# KiCad board KlusterLab r2.0.kicad_pcb (continued)
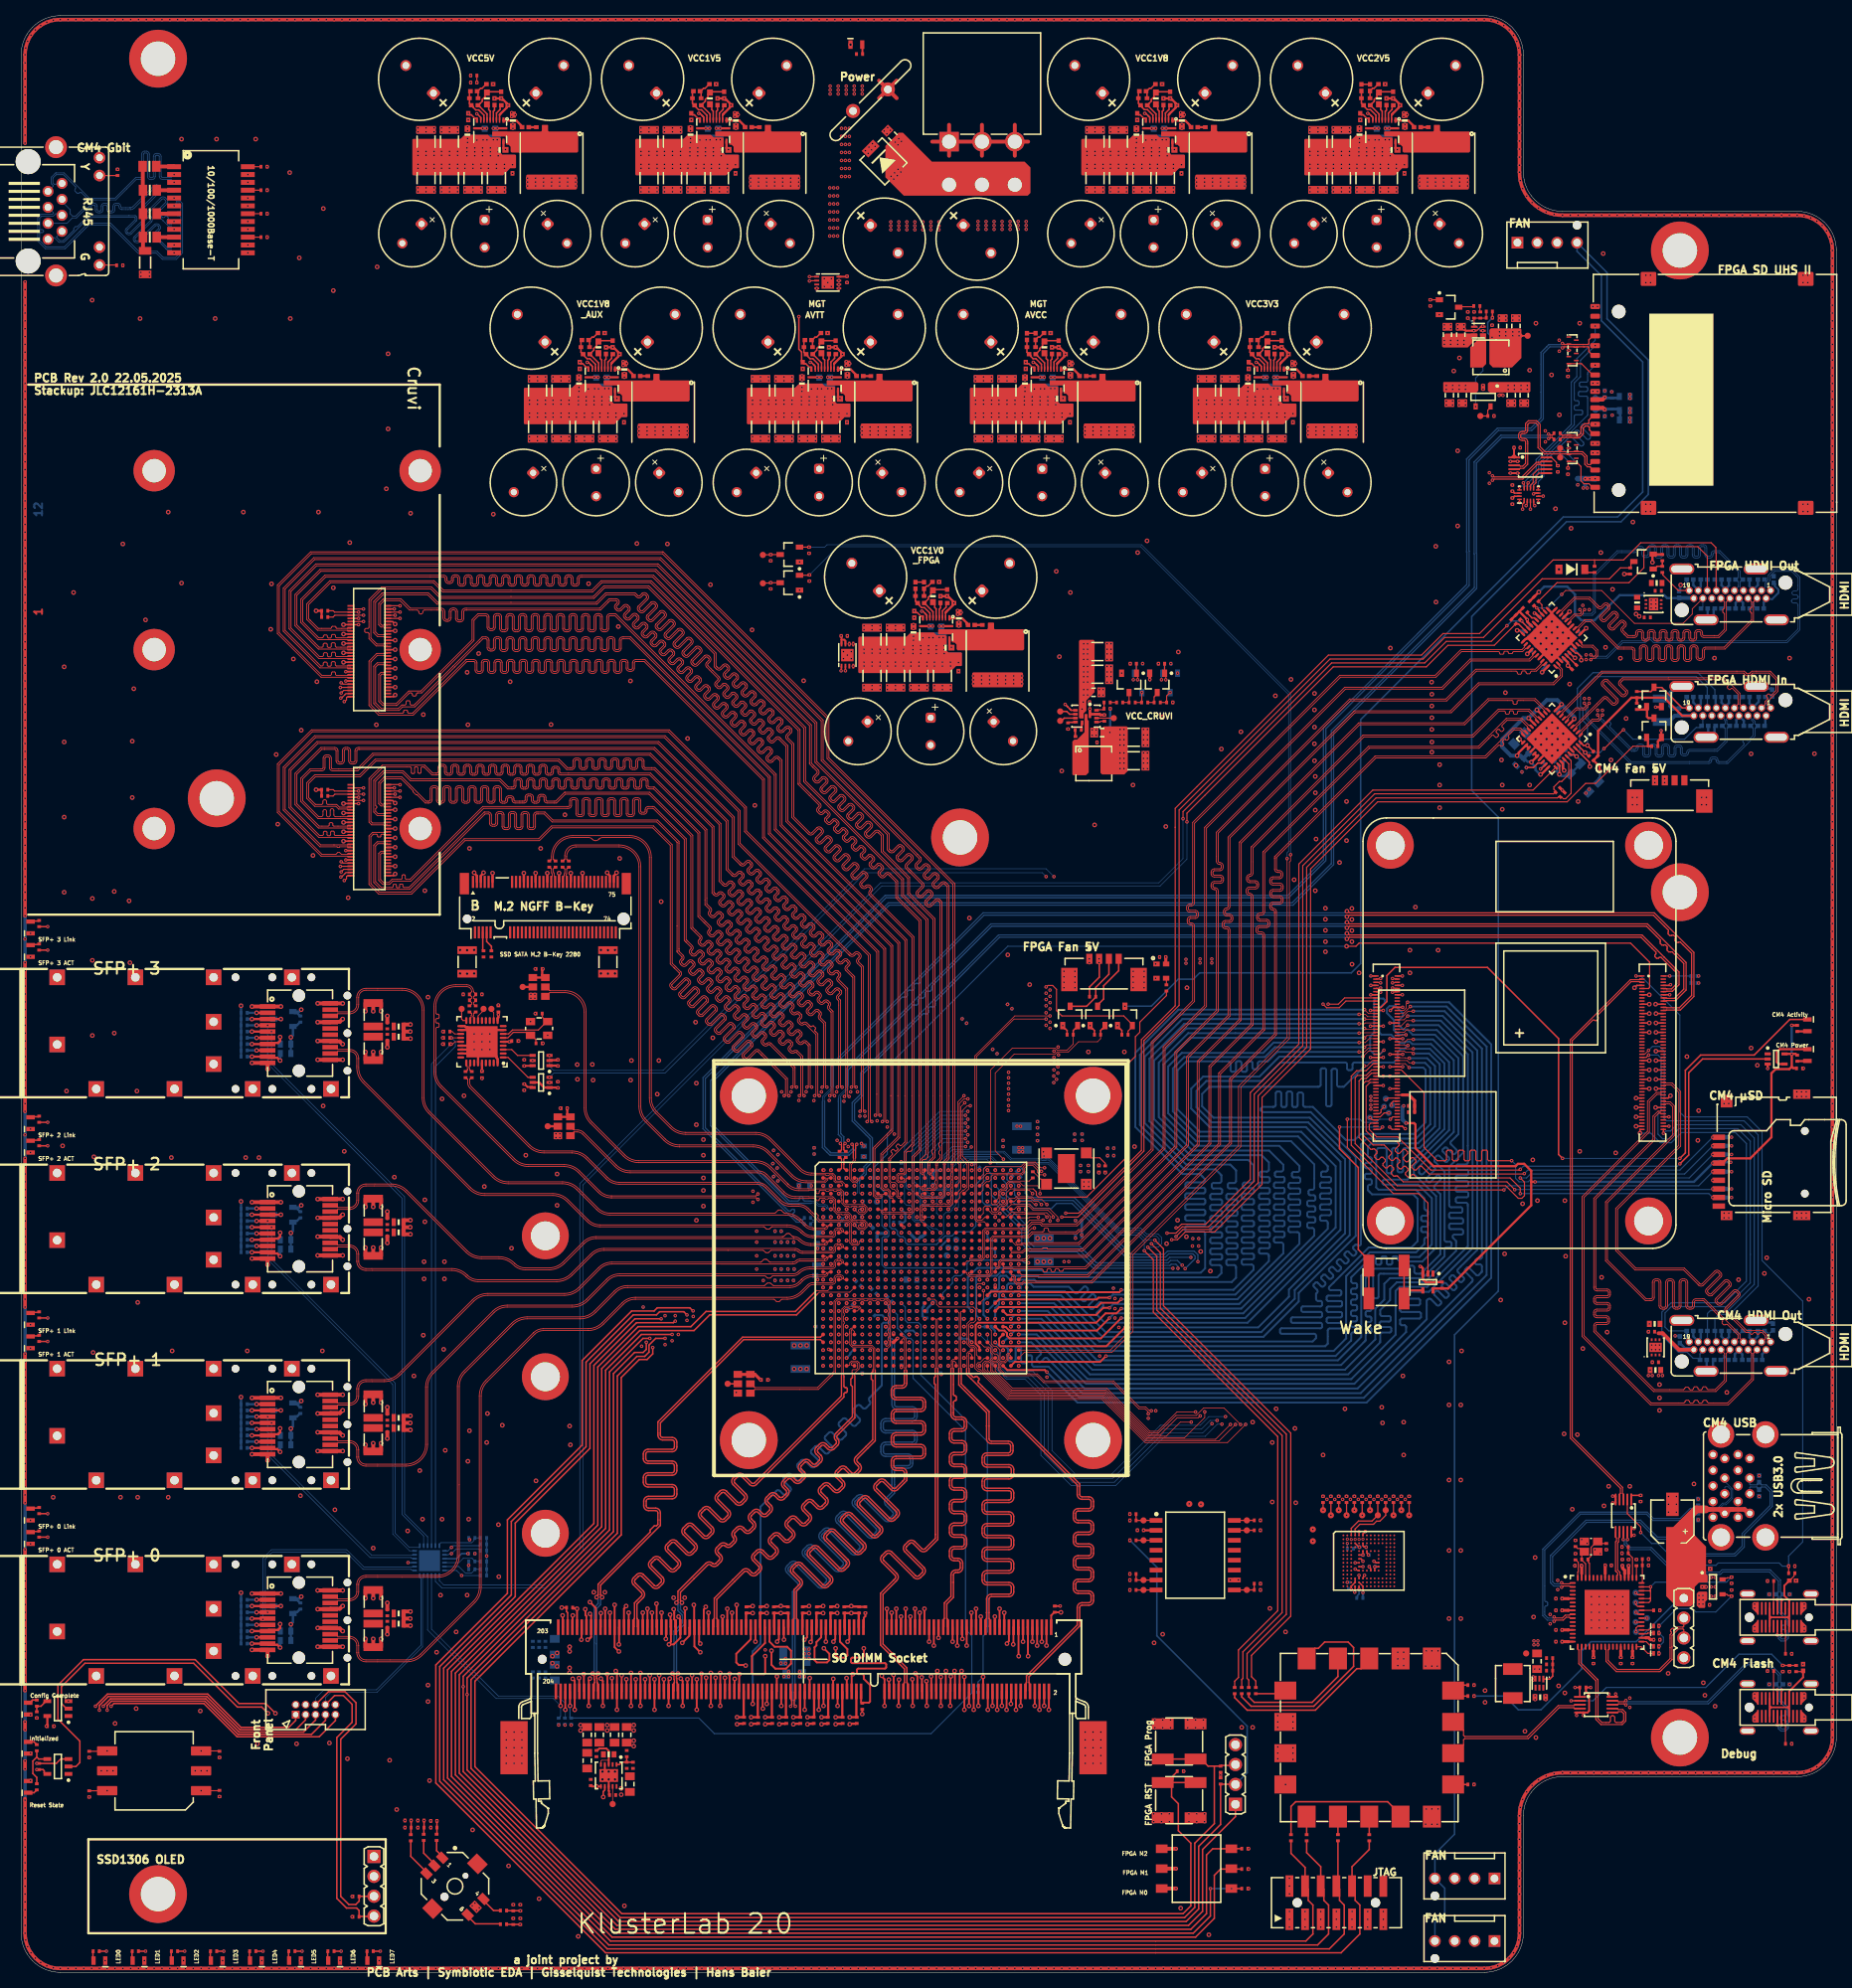
[diagram p0: board, top side]
## Routing (per net, layer and track width the routed paths; a pad name or vN(x,y) marks a point on that pad's centre or on a via; arc(x,y) is an arc through that point) (continued)
SATA_TX_C_P: length 71.9
  L1 Top w0.1: 101.48,100.89 101.49,100.9 102.75,100.9 103.1,101.25 103.1,101.44 103.16,101.5 U1.B2
  L1 Top w0.114: C83.1 69.9,142.1 arc(69.86,142.12) 69.83,142.13 arc(69.79,142.14) 69.76,142.16 arc(69.73,142.2) 69.72,142.25 69.72,142.57 arc(70.08,143.44) 70.95,143.8 76.42,143.8 arc(78.22,143.06) 78.96,141.26 78.96,110.65 arc(79.17,109.59) 79.77,108.69 82.17,106.29 arc(83.08,105.68) 84.14,105.47 93.58,105.47 arc(94.55,105.28) 95.37,104.73 98.42,101.68 arc(99.3,101.1) 100.33,100.89 101.5,100.89
SATA_TX_N: length 2.1
  L1 Top w0.114: J6.47 69.25,139.86 arc(69.27,139.94) 69.31,140.01 arc(69.36,140.09) 69.38,140.17 69.38,140.23 arc(69.39,140.3) 69.43,140.35 arc(69.47,140.41) 69.48,140.47 69.48,140.95 arc(69.47,141) 69.44,141.04 arc(69.41,141.06) 69.37,141.07 arc(69.34,141.08) 69.31,141.1 C84.2
SATA_TX_P: length 2.1
  L1 Top w0.114: C83.2 69.9,141.1 arc(69.86,141.08) 69.83,141.07 arc(69.79,141.06) 69.76,141.04 arc(69.73,141) 69.72,140.95 69.72,140.37 arc(69.71,140.31) 69.67,140.25 69.66,140.25 arc(69.63,140.2) 69.62,140.14 arc(69.63,140.08) 69.66,140.04 arc(69.73,139.94) 69.75,139.83 J6.49
SCL_0: length 1.5
  L1 Top w0.15: J7.80 174.67,111.7 174.48,111.51
  vias: v1(174.42,111.51)
SDA_0: length 1.1
  L1 Top w0.15: J7.82 175.36,111.3 175.15,111.09 175.15,110.8 v1(175.13,110.78)
SDCARD.CD: length 205.1
  L1 Top w0.1: U1.AC22 124.1,79.9 124.1,79.3 124.41,78.99 124.68,78.99 124.9,78.78 124.9,78.33 124.67,78.1 124.25,78.1 123.9,77.75 123.9,77.33 123.9,76.83 126.53,74.21 138.58,74.21 144.08,68.71 145.61,68.71 147.73,70.82 150.43,70.82 v1(150.69,71.09)
  L1 Top w0.15: v1(197.7,204.69) 197.7,205.52 197.73,205.54 D32.5 199.42,205.54 200.87,204.09 J19.8
  L10 Inner9 (Sig) w0.2: v1(150.69,71.09) 150.69,72.34 161.01,82.65 179.66,82.65 183.88,86.87 183.88,180.41 188.85,185.38 188.85,188.35 189.85,189.35 189.85,194.9 196.8,201.85 196.8,203.79 v1(197.7,204.69)
SDCARD.CLK: length 188.5
  L1 Top w0.1: U1.AE22 123.45,78.45 123.1,78.45 122.55,77.9 122.31,77.9 122.11,77.7 122.11,77.68 122.1,77.67 122.1,77.33 122.41,77.03 122.58,77.03 126.19,73.41 138.25,73.41 143.75,67.91 153.1,67.91 v1(155.2,70)
  L1 Top w0.15: v1(193.9,187.8) U38.5
  L10 Inner9 (Sig) w0.2: v1(193.9,187.8) 193.9,181.19 191.82,179.12 arc(191.72,178.87) 191.82,178.62 arc(191.93,178.37) 191.82,178.13 arc(191.58,178.02) 191.33,178.13 191.16,178.3 arc(190.91,178.4) 190.66,178.3 arc(190.56,178.05) 190.66,177.8 190.82,177.64 arc(190.92,177.4) 190.82,177.15 arc(190.57,177.05) 190.33,177.15 190.17,177.31 arc(189.92,177.41) 189.67,177.31 arc(189.57,177.06) 189.67,176.81 189.87,176.62 arc(189.97,176.37) 189.87,176.12 arc(189.62,176.02) 189.37,176.12 189.35,176.15 arc(189.1,176.25) 188.85,176.15 187.38,174.67 187.38,85.33 181.19,79.15 162.49,79.15 155.2,71.86 v1(155.2,70)
SDCARD.CLK_FB: length 192.5
  L1 Top w0.1: U1.AA22 124,82 124,80.33 124.33,80 124.63,80 125.1,79.52 125.1,78.25 124.75,77.9 124.33,77.9 124.1,77.67 124.1,76.91 126.61,74.41 138.67,74.41 144.17,68.91 145.35,68.91 147.59,71.15 150.18,71.15 151.13,72.1 153.74,72.1 v1(155.85,69.99)
  L1 Top w0.15: v1(194.53,188.61) 194.53,188.61 193.91,188.61 U38.6
  L10 Inner9 (Sig) w0.2: v1(194.53,188.61) 194.53,179.82 193.95,179.24 arc(193.87,179.05) 193.95,178.85 arc(194.03,178.66) 193.95,178.47 193.91,178.43 arc(193.72,178.35) 193.52,178.43 192.94,179.01 arc(192.75,179.09) 192.56,179.01 192.52,178.97 arc(192.44,178.78) 192.52,178.59 192.72,178.39 arc(192.8,178.2) 192.72,178.01 187.89,173.18 187.89,85.14 181.4,78.65 162.86,78.65 155.85,71.64 v1(155.85,69.99)
SDCARD.CMD: length 192.2
  L1 Top w0.15: v1(191.5,187.8) U38.16
  L10 Inner9 (Sig) w0.2: v1(191.5,187.8) 191.25,187.55 191.25,186.25 186.62,181.62 arc(186.52,181.39) 186.62,181.16 186.69,181.09 arc(186.79,180.86) 186.69,180.64 186.58,180.52 arc(186.36,180.43) 186.13,180.52 186.05,180.6 arc(185.83,180.69) 185.6,180.6 184.88,179.87 184.88,86.37 180.16,81.65 161.45,81.65 152.2,72.4 v1(152.2,70.1)
  L12 Bottom w0.1: v1(123.5,81.5) 123.5,80.83 124.1,80.23 124.1,77.9 126,76 128.7,76 130.76,73.94 130.76,66.24 134.39,62.61 139.71,62.61 146.01,68.91 151.01,68.91 v1(152.2,70.1)
SDCARD.DAT0: length 188.7
  L1 Top w0.15: v1(192.9,186.95) U38.3
  L10 Inner9 (Sig) w0.2: v1(153.93,71) 153.93,72 162.07,80.15 180.78,80.15 186.38,85.75 186.38,177.28 191.57,182.47 191.85,182.47 191.87,182.45 192.15,182.45 192.43,182.73 192.43,183.02 192.42,183.04 192.42,183.32 192.9,183.8 v1(192.9,186.95)
  L12 Bottom w0.1: v1(125.5,79.5) 125.11,79.11 125.11,77.71 126.05,76.77 129.33,76.77 131.75,74.35 131.75,66.65 134.8,63.6 139.3,63.6 145.6,69.9 150.7,69.9 151.8,71 v1(153.93,71)
SDCARD.DAT1: length 192
  L1 Top w0.1: v1(154.55,70) 152.66,68.11 143.83,68.11 138.33,73.61 126.28,73.61 122.9,76.98 122.9,77.33 122.9,77.8 123.2,78.1 123.68,78.1 124.1,78.53 124.1,78.99 123.9,79.19 123.9,79.67 123.67,79.9 123.1,79.9 U1.AC21
  L1 Top w0.15: U38.4 193.33,187.98 193.33,187.61 193.45,187.48 v1(193.45,187.4)
  L10 Inner9 (Sig) w0.2: v1(193.45,187.4) 193.45,182.77 191.81,181.13 arc(191.71,180.88) 191.81,180.64 arc(191.91,180.39) 191.81,180.14 arc(191.56,180.04) 191.32,180.14 191.07,180.39 arc(190.82,180.49) 190.57,180.39 arc(190.47,180.14) 190.57,179.89 190.76,179.71 arc(190.86,179.46) 190.76,179.21 arc(190.51,179.11) 190.26,179.21 190.04,179.44 arc(189.79,179.54) 189.55,179.44 arc(189.44,179.19) 189.55,178.94 189.86,178.63 arc(189.97,178.38) 189.86,178.13 arc(189.62,178.03) 189.37,178.13 189.05,178.45 arc(188.81,178.55) 188.56,178.45 arc(188.46,178.2) 188.56,177.95 188.87,177.64 arc(188.98,177.39) 188.87,177.14 arc(188.63,177.04) 188.38,177.14 188.35,177.17 arc(188.1,177.27) 187.85,177.17 186.88,176.2 186.88,85.54 180.99,79.65 162.25,79.65 154.55,71.95 v1(154.55,70)
SDCARD.DAT2: length 189.3
  L1 Top w0.15: U38.1 192.1,187.8 192.08,187.77 191.9,187.6 v1(191.9,186.95)
  L10 Inner9 (Sig) w0.2: v1(191.9,186.95) 191.9,185.14 189.15,182.39 arc(188.98,182.32) 188.8,182.39 188.66,182.54 arc(188.48,182.61) 188.31,182.54 188.16,182.39 arc(188.09,182.22) 188.16,182.05 188.31,181.9 arc(188.38,181.73) 188.31,181.55 185.38,178.62 185.38,86.16 180.36,81.15 161.66,81.15 152.86,72.35 v1(152.86,70.52)
  L12 Bottom w0.1: v1(152.86,70.52) 151.97,70.52 150.86,69.41 145.81,69.41 139.51,63.11 134.6,63.11 131.26,66.44 131.26,74.15 128.85,76.55 125.95,76.55 124.86,77.64 124.86,79.14 v1(124.5,79.5)
SDCARD.DAT3: length 193.2
  L1 Top w0.15: U38.2 192.48,187.98 192.48,187.61 192.35,187.48 v1(192.35,187.4)
  L10 Inner9 (Sig) w0.2: v1(192.35,187.4) 192.35,184.35 185.88,177.87 185.88,85.95 180.57,80.65 161.86,80.65 153.47,72.26 v1(153.47,70.04)
  L12 Bottom w0.1: 151.34,68.49 152.89,70.04 v1(153.47,70.04) ; 151.34,68.49 151.34,68.49 ; 151.34,68.49 146.19,68.49 139.89,62.19 134.21,62.19 130.34,66.06 130.34,73.76 128.3,75.8 125.92,75.8 123.9,77.82 123.9,80.1 v1(122.5,81.5)
SDCARD.EN: length 200.2
  L1 Top w0.1: U1.AF23 124.5,76.82 126.7,74.63 138.76,74.63 144.26,69.13 145.25,69.13 147.73,71.6 v1(150.1,71.6)
  L10 Inner9 (Sig) w0.2: v1(150.1,71.6) 150.1,72.47 160.8,83.16 179.45,83.16 183.37,87.08 183.37,180.62 188.35,185.6 188.35,188.6 189.33,189.57 189.33,195.07 185.9,198.5 v1(185.9,200.05)
  L12 Bottom w0.15: v1(184.9,211.36) 186.45,209.81 186.77,209.81 v1(186.83,209.75) 186.83,204.62 185.9,203.7 v1(185.9,200.05)
SDCARD.Fault: length 2.3
  L1 Top w0.15: U41.5 187.8,199.95 187.45,199.6 187.45,198.86 R347.2 TP38.1
SDCARD.MUX-SEL: length 190.1
  L1 Top w0.1: U1.AE23 124.36,78.5 123.76,77.9 123.33,77.9 123.1,77.67 123.1,77.07 126.36,73.81 138.42,73.81 143.92,68.31 148.69,68.31 151.27,70.89 v1(151.27,71.61)
  L1 Top w0.15: v1(196.4,192.5) 196.35,192.5 196.24,192.61 196.24,192.91 195.59,193.55 U39.10
  L10 Inner9 (Sig) w0.2: v1(196.4,192.5) 195.63,192.5 191.94,188.8 190.06,188.8 189.77,188.51 189.77,185.52 184.38,180.12 184.38,86.63 179.92,82.17 161.22,82.17 151.29,72.24 151.29,71.63 v1(151.27,71.61)
SDCARD.PERX_N: length 6.3
  L1 Top w0.166: J19.13 200.87,198.84 200.37,198.33 200.37,197.96 200.27,197.86 199.8,197.86 199.36,197.42 199.36,196.67 199.08,196.39 196.95,196.39 C523.2
SDCARD.PERX_P: length 6.2
  L1 Top w0.166: 199.2,196.1 199.65,196.55 199.65,197.3 199.92,197.57 200.27,197.57 200.45,197.39 200.45,197.06 200.92,196.59 J19.15 ; 199.2,196.1 196.95,196.1 C522.2
SDCARD.PETX_N: length 202.4
  L1 Top w0.166: 198.76,207.66 198.48,207.66 198.44,207.69 197.22,207.69 197.08,207.55 v1(197,207.55) ; 198.76,207.69 200.27,207.69 200.37,207.6 200.37,207.1 200.87,206.59 J19.6
  L12 Bottom w0.166: C521.2 100.11,96.35 99.9,96.15 99.2,96.15 98.69,96.66 arc(98.62,96.83) 98.69,96.99 98.81,97.11 arc(98.87,97.28) 98.81,97.44 arc(98.64,97.51) 98.48,97.44 98.36,97.32 arc(98.19,97.25) 98.03,97.32 87.45,107.9 87.45,114.2 104.98,131.73 110.55,137.3 162.02,137.3 166.74,142.03 166.74,158.88 185.07,177.21 185.07,181.59 185.04,181.61 185.04,193.24 188.8,197 193.07,197 194.54,198.48 194.54,206.84 195.38,207.68 196.79,207.68 196.92,207.55 v1(197,207.55)
SDCARD.PETX_P: length 202.4
  L1 Top w0.166: v1(196.99,208.12) 197.07,208.12 197.2,207.99 200.27,207.99 200.37,208.08 200.37,208.58 200.87,209.09 J19.4
  L12 Bottom w0.166: C520.2 100.11,95.65 99.9,95.85 99.08,95.85 87.15,107.78 87.15,114.32 110.43,137.6 161.9,137.6 166.45,142.15 166.45,159 184.78,177.33 184.78,181.46 184.75,181.49 184.75,193.36 188.68,197.3 192.95,197.3 194.25,198.6 194.25,202.77 194.25,206.96 195.26,207.97 196.77,207.97 196.91,208.12 v1(196.99,208.12)
SDCARD.RCLK_N: length 185.1
  L1 Top w0.1: v1(144.45,71.75) 144.4,71.8 144.17,71.8 143.75,72.22 142.95,72.22 139.6,75.57 130.78,75.57 129.89,76.46 125.72,76.46 125.11,77.07 125.11,77.26 125.1,77.28 125.1,77.67 125.33,77.9 125.81,77.9 126.11,78.2 126.11,78.84 126.19,78.91 126.32,78.91 126.42,78.81 126.42,78.58 U1.AE25
  L1 Top w0.15: U39.8 194.28,192.55 194.17,192.66 193.8,192.66 191.92,190.79 188.27,190.79 188.13,190.65 v1(188.05,190.65)
  L10 Inner9 (Sig) w0.11: v1(188.05,190.65) 187.97,190.65 187.82,190.81 187.36,190.81 186.35,189.8 186.35,189.24 arc(186.39,189.15) 186.48,189.11 186.59,189.11 arc(186.67,189.08) 186.71,188.99 186.71,188.83 arc(186.67,188.74) 186.59,188.7 186.45,188.7 arc(186.36,188.67) 186.33,188.58 186.33,188.42 arc(186.36,188.33) 186.45,188.29 186.64,188.29 arc(186.73,188.26) 186.76,188.17 186.76,188.01 arc(186.73,187.92) 186.64,187.88 186.48,187.88 arc(186.39,187.85) 186.35,187.76 186.35,185.13 182.18,180.96 182.18,89.58 177.06,84.46 160.24,84.46 148.99,73.21 143.76,73.21 143.5,72.95 143.5,72.46 144,71.96 144.23,71.73 144.23,71.73 144.38,71.58
SDCARD.RCLK_P: length 184.9
  L1 Top w0.1: v1(144.06,71.36) 144.01,71.41 144.01,71.64 143.65,72 142.85,72 139.5,75.35 130.68,75.35 129.79,76.24 125.63,76.24 124.89,76.98 124.89,77.26 124.9,77.28 124.9,77.75 125.25,78.1 125.73,78.1 125.91,78.28 125.91,78.92 126.11,79.11 126.35,79.11 126.42,79.19 126.42,79.42 U1.AD25
  L1 Top w0.15: v1(188.05,191.2) 188.13,191.2 188.27,191.06 191.81,191.06 193.68,192.94 194.17,192.94 194.28,193.05 U39.9
  L10 Inner9 (Sig) w0.11: 144.06,71.5 144.02,71.5 144,71.52 144,71.63 143.9,71.72 143.9,71.72 143.26,72.36 143.26,73.05 143.66,73.45 148.89,73.45 160.14,84.7 176.96,84.7 181.95,89.68 181.95,181.06 186.12,185.23 186.12,189.9 187.26,191.04 187.82,191.04 187.97,191.2 v1(188.05,191.2)
SDCARD.VDD: length 5.8
  L1 Top w0.5: v1(202.4,199.68) 202.37,199.68 202.16,199.89 J19.12
  L12 Bottom w0.35: 203.35,199.74 202.47,199.74 v1(202.4,199.68) 201.2,199.68 ; 204.38,198.35 204.38,199.6 204.23,199.75 C529.1
SDCARD.VDD2: length 4.6
  L1 Top w0.5: v1(202.4,201.23) 202.12,200.94 J19.11
  L12 Bottom w0.35: 203.3,201.16 202.47,201.16 v1(202.4,201.23) ; TP33.1 202.3,201.15 202.36,201.21 202.36,201.26 ; C528.1 204.13,201.16 204.28,201.31 R348.2
SDCARD.VDD3: length 3.5
  L1 Top w0.5: v1(199.9,190.83) 199.92,190.84 v1(201.17,190.84)
  L12 Bottom w0.7: v1(201.17,190.84) 198.96,190.84 C527.1
  vias: v1(200.47,190.82)
SDCARD.VSEL: length 206.2
  L1 Top w0.1: U1.AF22 123.5,76.95 126.44,74.01 138.5,74.01 144,68.51 146.36,68.51 148.15,70.3 v1(149.55,70.3)
  L1 Top w0.15: v1(180.1,213.69) 181.26,213.69 Q17.1
  L10 Inner9 (Sig) w0.2: v1(180.1,213.69) 180.65,213.14 180.65,208.25 185.34,203.56 185.34,198.31 188.8,194.85 188.8,189.75 187.85,188.8 187.85,185.84 182.88,180.88 182.88,87.28 179.25,83.65 160.6,83.65 149.55,72.6 v1(149.55,70.3)
SDCARD.WP: length 203.6
  L1 Top w0.1: v1(156.5,70.01) 154.18,67.69 143.66,67.69 138.16,73.19 126.1,73.19 122.49,76.8 122.27,76.8 121.9,77.17 121.9,79.69 121.69,79.9 121.25,79.9 120.9,80.25 120.9,80.33 120.9,80.33 120.9,82.9 U1.Y20
  L1 Top w0.15: v1(197.7,192.19) 197.7,193.03 197.73,193.05 D83.5 198.7,193.05 199.35,192.4 199.35,190.58 199.73,190.2 200.38,190.2 200.84,189.74 J19.21
  L10 Inner9 (Sig) w0.2: v1(156.5,70.01) 156.5,71.64 163.05,78.19 181.59,78.19 188.4,85 188.4,171.85 195.05,178.5 195.05,188.15 197,190.1 197,191.49 v1(197.7,192.19)
SDCARD_CLK: length 24.6
  L1 Top w0.15: U38.8 v1(193.9,189.8)
  L12 Bottom w0.15: v1(201.2,197.8) 199.53,197.8 199.46,197.73 arc(199.39,197.56) 199.46,197.39 200.51,196.34 arc(200.58,196.17) 200.51,196 200.43,195.92 arc(200.26,195.85) 200.09,195.92 199.03,196.98 arc(198.86,197.05) 198.69,196.98 198.6,196.9 arc(198.53,196.73) 198.6,196.56 199.66,195.49 arc(199.74,195.32) 199.66,195.15 199.58,195.07 arc(199.41,195) 199.24,195.07 198.19,196.12 arc(198.02,196.19) 197.85,196.12 196.86,195.13 arc(196.79,194.96) 196.86,194.79 198.47,193.19 arc(198.54,193.02) 198.47,192.85 198.39,192.76 arc(198.22,192.69) 198.05,192.76 196.44,194.37 arc(196.27,194.44) 196.1,194.37 194.6,192.87 194.6,191.15 193.9,190.45 v1(193.9,189.8)
SDCARD_CMD: length 24.6
  L1 Top w0.15: U38.13 v1(191.5,189.8)
  L12 Bottom w0.15: v1(191.5,189.8) 191.58,189.8 191.68,189.9 192.87,189.9 194.28,191.31 194.28,193.03 200.22,198.96 200.22,201.2 arc(200.17,201.33) 200.04,201.38 199.21,201.38 arc(199.08,201.43) 199.03,201.56 199.03,201.8 arc(199.08,201.93) 199.21,201.98 200.05,201.98 arc(200.17,202.03) 200.23,202.16 200.23,202.4 arc(200.17,202.53) 200.05,202.58 199.34,202.58 arc(199.21,202.63) 199.16,202.76 199.16,203 arc(199.21,203.13) 199.34,203.18 200.04,203.18 arc(200.17,203.23) 200.22,203.36 200.22,204.38 v1(201.17,205.34)
SDCARD_DAT0: length 3.9
  L1 Top w0.15: U39.7 193.9,192.05 193.25,191.4 193.25,190.35 192.93,190.03 192.93,189.62 U38.10
SDCARD_DAT1: length 3.2
  L1 Top w0.15: 193.3,189.6 193.3,190.01 193.61,190.32 193.61,191.14 194.02,191.55 U39.6
SDCARD_DAT2: length 24.6
  L1 Top w0.15: v1(192,190.3) 192,190.22 192.1,190.12 U38.12
  L12 Bottom w0.15: v1(192,190.3) 193.63,191.93 193.63,193.29 198.13,197.78 198.13,203.18 198.83,203.88 198.83,206.18 201.17,208.52 v1(201.17,210.34)
SDCARD_DAT3: length 24.6
  L1 Top w0.15: U38.11 192.5,190.12 192.6,190.22 v1(192.6,190.3)
  L12 Bottom w0.15: v1(201.17,207.84) 199.29,205.96 199.29,203.87 198.5,203.07 198.5,200.99 arc(198.55,200.86) 198.68,200.81 198.93,200.81 arc(199.05,200.75) 199.11,200.63 199.11,200.39 arc(199.05,200.26) 198.93,200.21 198.68,200.21 arc(198.55,200.15) 198.5,200.03 198.5,199.79 arc(198.55,199.66) 198.68,199.61 199.4,199.61 arc(199.52,199.55) 199.58,199.43 199.58,199.19 arc(199.52,199.06) 199.4,199.01 198.68,199.01 arc(198.55,198.95) 198.5,198.83 198.5,197.72 193.95,193.17 193.95,191.65 v1(192.6,190.3)
SDCARD_PERX_N: length 5.1
  L12 Bottom w0.1: v1(104.5,96.5) 104.8,96.5 ; 104.67,96.1 104.68,96.1 arc(104.69,96.1) 104.69,96.1 ; 104.69,96.1 102.05,96.1 101.98,96.17 101.98,96.22 101.91,96.29 101.7,96.29 101.63,96.22 101.63,96.17 101.56,96.1 101.2,96.1 C521.1 ; 104.69,96.1 arc(104.82,96.15) 104.91,96.26 arc(104.92,96.31) 104.92,96.36 104.92,96.39 arc(104.89,96.47) 104.81,96.5
SDCARD_PERX_P: length 5.2
  L12 Bottom w0.1: C520.1 101.2,95.9 104.74,95.9 arc(105.01,96.01) 105.12,96.29 105.13,96.34 arc(105.13,96.34) 105.13,96.34 arc(105.12,96.35) 105.12,96.36 105.12,96.39 arc(105.16,96.47) 105.24,96.5 ; 105.25,96.5 v1(105.5,96.5) 105.55,96.5
SDCARD_PETX_N: length 187.1
  L1 Top w0.166: v1(195.21,196.53) 195.29,196.53 195.43,196.4 195.7,196.4 195.91,196.6 C523.1
  L12 Bottom w0.1: 100.94,98.25 100.99,98.3 101.48,98.3 101.88,97.9 102.69,97.9 arc(102.82,97.85) 102.91,97.74 arc(102.92,97.69) 102.92,97.64 102.92,97.61 arc(102.89,97.53) 102.81,97.5 ; v1(102.5,97.5) 102.8,97.5
  L12 Bottom w0.166: v1(195.21,196.53) 195.14,196.53 194.99,196.39 189.12,196.39 185.7,192.97 185.7,181.21 185.73,181.18 185.73,176.93 167.45,158.65 167.45,141.65 162.44,136.64 110.83,136.64 88.11,113.92 88.11,108.18 98.03,98.25 100.94,98.25
SDCARD_PETX_P: length 187.3
  L1 Top w0.166: C522.1 195.91,195.9 195.7,196.1 195.44,196.1 195.3,195.96 v1(195.22,195.96)
  L12 Bottom w0.1: 103.25,97.5 v1(103.5,97.5) 103.55,97.5 ; 100.94,98.55 100.98,98.5 101.56,98.5 101.96,98.1 102.74,98.1 arc(103.01,97.99) 103.12,97.71 103.13,97.66 arc(103.13,97.66) 103.13,97.66 arc(103.12,97.65) 103.12,97.64 103.12,97.61 arc(103.16,97.53) 103.24,97.5
  L12 Bottom w0.166: v1(195.22,195.96) 195.15,195.96 195.02,196.09 189.24,196.09 186,192.85 186,181.33 186.02,181.31 186.02,176.81 167.74,158.53 167.74,141.53 162.56,136.35 110.95,136.35 88.4,113.8 88.4,108.3 98.15,98.55 99.24,98.55 arc(99.4,98.61) 99.47,98.78 99.47,98.91 arc(99.54,99.08) 99.7,99.15 arc(99.87,99.08) 99.93,98.91 99.93,98.78 arc(100,98.61) 100.17,98.55 100.94,98.55
SFP+_0_ACT: length 314.4
  L1 Top w0.2: R276.1 v1(3.4,55.61)
  L3 Inner2 (Sig) w0.1: v1(3.4,55.61) 7.95,60.16 7.95,135.02 7.95,174.17 18.08,184.3 60.89,184.3 113.29,131.9 120.12,131.9 129.42,122.6 v1(131,122.6) ; 3.3,55.61 3.35,55.66
  L10 Inner9 (Sig) w0.1: v1(131,122.6) 130.99,122.6 128.2,119.81 128.2,107.68 127.1,106.58 127.1,98.9 125.83,97.62 124.83,97.62 124.1,96.9 124.1,94.48 125.1,93.48 125.1,88.2 125.4,87.9 126.1,87.9 v1(126.5,87.5)
SFP+_0_I2C_SCL: length 31.2
  L1 Top w0.3: v2(29.5,45.2) J2.5
  L12 Bottom w0.1: v1(30.9,45.1) 30.9,52.9 32,54 41.6,54 43.8,51.8 50.2,51.8 50.3,51.9
  L12 Bottom w0.3: R23.1 v2(29.5,45.2)
SFP+_0_I2C_SDA: length 29.9
  L1 Top w0.3: v2(30.1,46) v1(31.5,46)
  L12 Bottom w0.1: 50.2,51.4 50.18,51.43 49.88,51.43 49.8,51.5 43.7,51.5 41.5,53.7 32.1,53.7 31.2,52.8 31.2,46.3 v1(31.5,46)
  L12 Bottom w0.3: R22.1 v2(30.1,46)
SFP+_0_Link: length 312.3
  L1 Top w0.2: R275.1 v1(3.4,58.61)
  L3 Inner2 (Sig) w0.1: v1(3.4,58.61) 7.75,62.96 7.75,135.02 7.75,174.25 18,184.5 60.97,184.5 113.37,132.1 120.21,132.1 129.21,123.1 v1(131.5,123.1) ; 3.3,58.61 3.35,58.66
  L10 Inner9 (Sig) w0.1: v1(125.5,87.5) 124.9,88.1 124.9,93.4 123.9,94.4 123.9,97 124.78,97.87 125.68,97.87 126.9,99.1 126.9,108.5 128,109.6 128,120.13 130.97,123.1 v1(131.5,123.1)
SFP+_0_LOS: length 323
  L1 Top w0.3: v2(30.1,42.8) J2.8
  L3 Inner2 (Sig) w0.1: v2(30.1,42.8) 20.38,42.8 17.5,45.68 17.5,129.47 16.1,130.87 16.1,138.22 11.95,142.37 11.95,171.83 19.82,179.7 58.98,179.7 111.38,127.3 118.18,127.3 127.8,117.68 127.8,111.7 126.21,110.11 v1(126.19,110.11)
  L10 Inner9 (Sig) w0.1: v1(126.19,110.11) 126.16,110.11 124.3,108.25 124.3,104.67 122.62,102.99 122.44,102.99 122.1,102.66 122.1,101.4 121.88,101.18 121.88,95.14 121.3,94.57 121.3,91.11 120.9,90.71 120.9,87.9 v1(120.5,87.5)
  L12 Bottom w0.3: R30.1 v2(30.1,42.8)
SFP+_0_MOD_ABS: length 2.6
  L1 Top w0.3: v2(30.1,44.4) J2.6
  L12 Bottom w0.3: R24.1 v2(30.1,44.4)
SFP+_0_RS0: length 5.8
  L1 Top w0.3: v2(33.1,44.5) 33.1,44 32.85,43.75 31.65,43.75 J2.7 v2(29.5,43.6)
  L12 Bottom w0.3: R25.1 v2(29.5,43.6) ; v2(33.1,44.5) 33.11,44.49 33.11,43.61 R26.1
SFP+_0_RS1: length 5.3
  L1 Top w0.3: v2(33.1,41.5) 32.75,41.85 31.65,41.85 J2.9 v2(29.5,42)
  L12 Bottom w0.3: R29.1 v2(29.5,42) ; R27.1 33.11,42.39 33.11,41.51 v2(33.1,41.5)
SFP+_0_TX_DIS_LS: length 5.2
  L1 Top w0.3: v2(29.5,46.8) v2(33.2,46.8)
  L12 Bottom w0.3: R21.1 v2(29.5,46.8) ; Q1.3 v2(33.2,46.8)
SFP+_0_TX_EN: length 321.2
  L3 Inner2 (Sig) w0.1: v2(35.8,48) 34.7,48 33.7,49 20.4,49 17.7,51.7 17.7,129.6 16.3,131 16.3,138.3 12.15,142.45 12.15,171.75 19.9,179.5 58.9,179.5 111.3,127.1 118.1,127.1 127.6,117.6 127.6,112.2 126.2,110.8 v1(126.2,110.74)
  L10 Inner9 (Sig) w0.1: v1(119.5,88.5) 120.5,89.5 120.5,90.6 121.1,91.2 121.1,100.7 121.9,101.5 121.9,102.79 122.31,103.19 122.54,103.19 124.1,104.75 124.1,108.64 v1(126.2,110.74)
  L12 Bottom w0.3: R28.2 35.65,47.2 35.27,47.58 34.91,47.58 Q1.1 35.55,47.75 v2(35.8,48)
SFP+_0_TX_FAULT: length 2.6
  L1 Top w0.3: v2(30.1,47.6) J2.2
  L12 Bottom w0.3: R20.1 v2(30.1,47.6)
SFP+_1_ACT: length 288.8
  L1 Top w0.2: R278.1 v1(3.4,80.61)
  L3 Inner2 (Sig) w0.1: v1(131,123.5) 129.09,123.5 120.29,132.3 113.45,132.3 61.05,184.7 46.29,184.7 17.92,184.7 7.55,174.33 7.55,135.02 7.55,84.76 v1(3.4,80.61)
  L10 Inner9 (Sig) w0.1: v1(131,123.5) 127.8,120.3 127.8,109.7 126.12,108.02 126.12,99.22 125.8,98.9 125.3,98.9 123.7,97.3 123.7,96.93 123.08,96.31 123.08,93.14 124.1,92.12 124.1,88.9 v1(124.5,88.5)
SFP+_1_I2C_SCL: length 30.3
  L1 Top w0.3: v2(29.5,70.2) J3.5
  L12 Bottom w0.1: v1(32,70.2) 32,66.1 44.8,53.3 50.2,53.3 50.3,53.4
  L12 Bottom w0.3: R34.1 v2(29.5,70.2)
SFP+_1_I2C_SDA: length 31.7
  L1 Top w0.3: v2(30.1,71) v1(31.5,71)
  L12 Bottom w0.1: 50.2,52.9 50.18,52.93 49.88,52.93 49.8,53 44.6,53 31.5,66.1 v1(31.5,71)
  L12 Bottom w0.3: R33.1 v2(30.1,71)
SFP+_1_Link: length 288.5
  L1 Top w0.2: R277.1 v1(3.4,83.61)
  L3 Inner2 (Sig) w0.1: v1(3.4,83.61) 7.35,87.56 7.35,135.02 7.35,174.41 17.84,184.9 61.13,184.9 113.53,132.5 120.37,132.5 128.97,123.9 v1(131.5,123.9)
  L10 Inner9 (Sig) w0.1: 123.5,97.38 123.5,97.4 ; 123.5,97.38 125.21,99.1 125.72,99.1 125.92,99.3 125.92,108.12 127.6,109.8 127.6,120.63 130.87,123.9 v1(131.5,123.9) ; 123.5,97.38 123.5,97.02 122.88,96.39 122.88,93.06 123.9,92.04 123.9,87.9 v1(123.5,87.5)
SFP+_1_LOS: length 293.9
  L1 Top w0.3: v2(30.1,67.8) J3.8
  L3 Inner2 (Sig) w0.1: v1(126.19,111.49) 127.4,112.7 127.4,117.51 118.01,126.9 111.21,126.9 58.81,179.3 19.99,179.3 12.35,171.66 12.35,142.54 16.5,138.39 16.5,131.08 17.9,129.68 17.9,70.28 20.38,67.8 v2(30.1,67.8)
  L10 Inner9 (Sig) w0.1: v1(126.19,111.49) 125.79,111.49 123.7,109.4 123.7,104.92 122.38,103.6 121.2,103.6 120.1,102.5 120.1,101.1 119.6,100.6 119.6,98.3 120.1,97.8 120.1,91.9 v1(120.5,91.5)
  L12 Bottom w0.3: R41.1 v2(30.1,67.8)
SFP+_1_MOD_ABS: length 2.6
  L1 Top w0.3: v2(30.1,69.4) J3.6
  L12 Bottom w0.3: R35.1 v2(30.1,69.4)
SFP+_1_RS0: length 5.8
  L1 Top w0.3: v2(29.5,68.6) J3.7 31.65,68.75 32.85,68.75 33.1,69 v2(33.1,69.5)
  L12 Bottom w0.3: R36.1 v2(29.5,68.6) ; R37.1 33.11,68.61 33.11,69.49 v2(33.1,69.5)
SFP+_1_RS1: length 5.3
  L1 Top w0.3: v2(33.1,66.5) 32.75,66.85 31.65,66.85 J3.9 v2(29.5,67)
  L12 Bottom w0.3: R40.1 v2(29.5,67) ; R38.1 33.11,67.39 33.11,66.51 v2(33.1,66.5)
SFP+_1_TX_DIS_LS: length 5.2
  L1 Top w0.3: v2(29.5,71.8) v2(33.2,71.8)
  L12 Bottom w0.3: R32.1 v2(29.5,71.8) ; Q2.3 v2(33.2,71.8)
SFP+_1_TX_EN: length 293.5
  L3 Inner2 (Sig) w0.1: v1(126.2,112.2) 127.2,113.2 127.2,117.43 117.93,126.7 111.13,126.7 58.73,179.1 20.07,179.1 12.55,171.58 12.55,142.62 16.7,138.47 16.7,131.17 18.1,129.77 18.1,76.3 20.4,74 33.7,74 34.7,73 v2(35.8,73)
  L10 Inner9 (Sig) w0.1: v1(119.5,90.5) 119.88,90.88 119.88,97.66 119.4,98.13 119.4,100.7 119.88,101.18 119.88,102.58 121.1,103.8 122.3,103.8 123.5,105 123.5,109.5 v1(126.2,112.2)
  L12 Bottom w0.3: R39.2 35.65,72.19 35.27,72.58 34.91,72.58 Q2.1 35.55,72.75 v2(35.8,73)
SFP+_1_TX_FAULT: length 2.6
  L1 Top w0.3: v2(30.1,72.6) J3.2
  L12 Bottom w0.3: R31.1 v2(30.1,72.6)
SFP+_2_ACT: length 262.6
  L1 Top w0.2: R280.1 v1(3.4,105.61)
  L3 Inner2 (Sig) w0.1: v1(3.4,105.61) 7.15,109.36 7.15,135.02 7.15,174.5 17.75,185.1 46.45,185.1 61.22,185.1 113.62,132.7 120.45,132.7 128.85,124.3 131,124.3 v1(131.01,124.29)
  L10 Inner9 (Sig) w0.1: v1(122.5,90.5) 122.94,90.93 122.94,92.7 122.68,92.96 122.68,96.48 123.3,97.1 123.3,97.55 125.1,99.35 125.1,107.63 127.4,109.93 127.4,120.9 130.73,124.23 130.95,124.23 v1(131.01,124.29)
SFP+_2_I2C_SCL: length 52.3
  L1 Top w0.3: v2(29.5,95.2) J4.5
  L12 Bottom w0.1: U22.13 50.95,54.38 50.88,54.3 49.6,54.3 47.8,56.1 47.8,75.3 32,91.1 v1(32,95.2)
  L12 Bottom w0.3: R45.1 v2(29.5,95.2)
SFP+_2_I2C_SDA: length 52.9
  L1 Top w0.3: v2(30.1,96) v1(31.5,96)
  L12 Bottom w0.1: v1(31.5,96) 31.5,91.1 47.5,75.1 47.5,56 49.65,53.85 U22.12
  L12 Bottom w0.3: R44.1 v2(30.1,96)
SFP+_2_Link: length 263.5
  L1 Top w0.2: R279.1 v1(3.4,108.61)
  L3 Inner2 (Sig) w0.1: 6.95,133.87 6.95,174.58 17.67,185.3 46.54,185.3 61.3,185.3 113.7,132.9 120.54,132.9 128.74,124.7 v1(131.5,124.7) ; v1(3.4,108.61) 6.95,112.16 6.95,133.9
  L10 Inner9 (Sig) w0.1: v1(123.5,90.5) 123.1,90.1 122.33,90.1 122.13,90.3 122.13,94.55 122.48,94.9 122.48,96.58 123.1,97.2 123.1,98.65 123.35,98.9 123.88,98.9 124.11,99.13 124.11,99.76 124.4,100.05 124.7,100.05 124.9,100.25 124.9,107.72 127.2,110.02 127.2,121.1 130.78,124.68 131.48,124.68 v1(131.5,124.7)
SFP+_2_LOS: length 270.4
  L1 Top w0.3: v2(30.1,92.8) J4.8
  L3 Inner2 (Sig) w0.1: v1(126.2,112.9) 127,113.7 127,117.35 117.85,126.5 111.05,126.5 58.65,178.9 20.15,178.9 12.75,171.5 12.75,142.7 16.9,138.55 16.9,131.25 18.3,129.85 18.3,94.88 20.38,92.8 v2(30.1,92.8)
  L10 Inner9 (Sig) w0.1: v1(118.5,88.5) 118.5,88.97 118.88,89.34 118.88,90.12 119.08,90.32 119.08,102.62 120.46,104 122.21,104 123.3,105.09 123.3,110 v1(126.2,112.9)
  L12 Bottom w0.3: R52.1 v2(30.1,92.8)